# Altium PCB Main_Ctr_PCB.PcbDoc (continued)
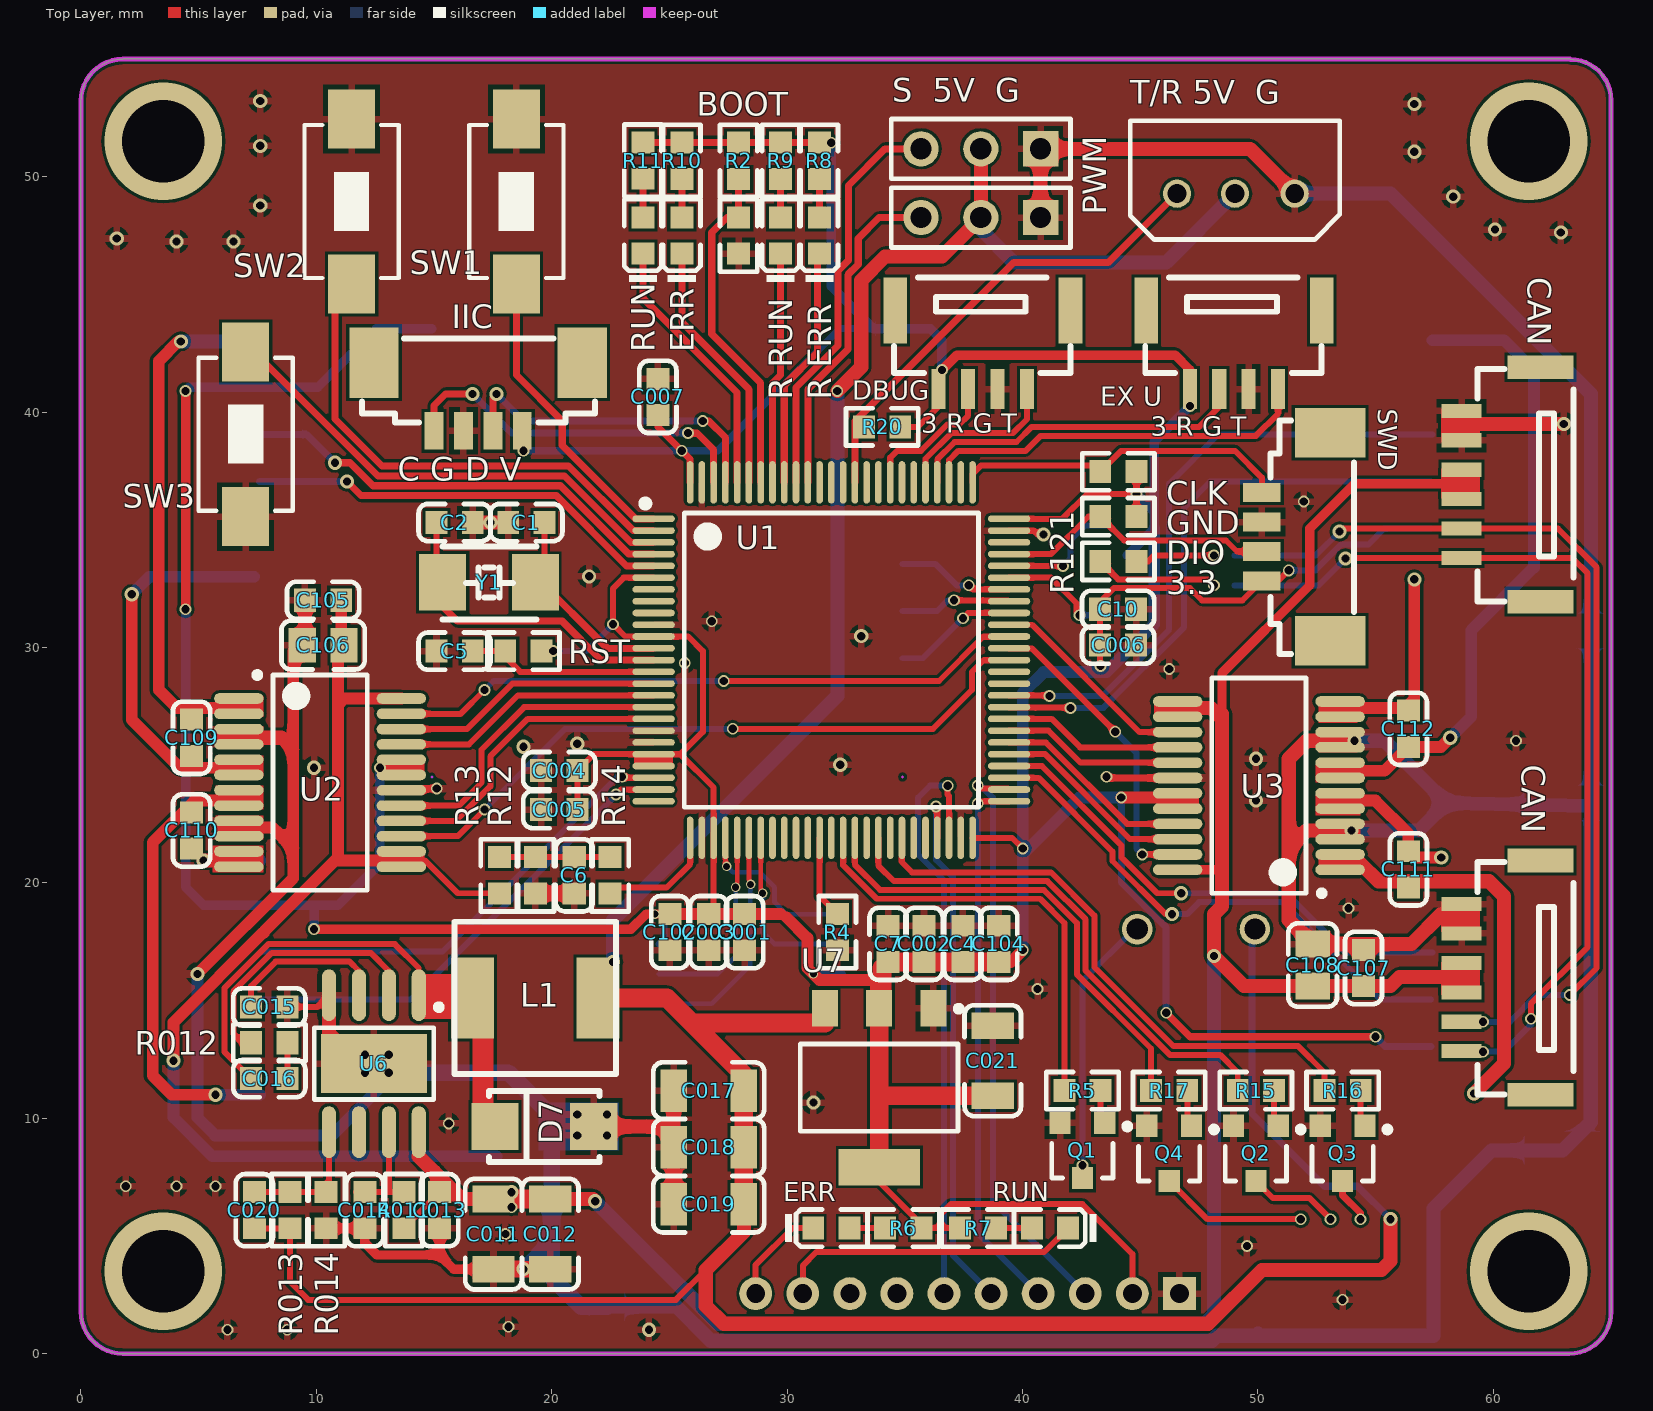
[diagram p0: Top Layer view]
## Footprints (in the part's own frame and the unit in brackets; to place one, negate y for a bottom-side part, rotate by r counter-clockwise, add the part's x,y. Pads: shape width x height; smd on the part's side, far side on the other; paste and mask are expansions set on the pad) (continued)
  silkscreen extent 7,-842 519,-22, body extent 0,-870 531,0, height 315

## Part data
"5 G R B": "LED灯"
B1: "有源蜂鸣器"
BOOT CLK DIO R4 R14 RST: library part "0603 10KΩ (1002) 1%", "贴片电阻"
C001 C002 C003 C004 C4 C005 C5 C006 C6 C007 C7 C10 C013 C014 C016 C102 C104 C105 C107 C109 C110 C111 C112: library part "0603 100nF (104) 10% 50V", "贴片电容"
C1 C2: library part "0603 10pF (100) 5% 50V", "贴片电容"
C011 C012 C017 C018 C019 C021: library part "1206 10uF (106) 10% 50V", "贴片电容"
C015: library part "0603 1uF (105) 10% 50V", "贴片电容"
C020: library part "0603 100pF (101) 5% 50V", "贴片电容"
C106 C108: library part "0805 10uF (106) 10% 25V", "贴片电容"
CAN CAN: "带电源CAN接口"
CAN: "SOIC-8"
D7: library part "SMA(DO-214AC) SS54", "二极管"
DBUG "EX U": "串口扩展"
ERR ERR "R ERR": library part "0603 红灯", "发光二极管"
FLASH: "SPI FLASH"
IIC: "IIC屏幕"
L1: "贴片电感"
M1 M2 M4 P3: "伺服直流电机"
POWER: "电源输入"
PWM "S  5V  G": "普通舵机"
Q1 Q2 Q3 Q4: "三极管"
R2: library part "0603 0Ω (0R0) 1%", "贴片电阻"
R5 R6 R7 R8 R9 R10 R11 R15 R16 R17 R20: library part "0603 1KΩ (1001) 1%", "贴片电阻"
R011: library part "0603 100KΩ (1003) 1%", "贴片电阻"
R012: library part "0603 10Ω (10R0) 1%", "贴片电阻"
R12: library part "0603 3.6KΩ (3601) 1%", "贴片电阻"
R013: library part "0603 40.2KΩ (4022) 1%", "贴片电阻"
R13: library part "0603 6.8KΩ (6801) 1%", "贴片电阻"
R014: library part "0603 7.5KΩ (7501) 1%", "贴片电阻"
R121: library part "0603 120Ω (1200) 1%", "贴片电阻"
"R RUN" RUN RUN: library part "0603 绿灯", "发光二极管"
SW1 SW2 SW3: "微动开关"
SWD: "SWD调试"
"T/R 5V  G": "串口总线舵机"
U1: "ARM"
U2 U3: "MotorDriver"
U6: "DC-DC"
U7: "线性稳压"
U8: "zigbee_usart"
WIFI: "WIFI"
Y1: "无源晶振"

## Via types
v1: diameter 0.5, hole 0.35, Top Layer to Bottom Layer, 71 vias
v2: diameter 0.6, hole 0.35, Top Layer to Bottom Layer, 58 vias
v3: diameter 0.4, hole 0.3, Top Layer to Bottom Layer, 6 vias
v4: diameter 5, hole 3.5, Top Layer to Bottom Layer, 4 vias

## Nets (pads, with @x,y where several pads share a name; then routed paths per layer and width w, separated by ;. In a path a pad name is that pad's centre, name@x,y a point inside that pad or via, vN(x,y) a via of type N, cw(c..) or ccw(c..) an arc to the next point about the centre after c; other vN are vias at no path point)
3.3V: "EX U.4" C001.2 C002.2 C003.2 C4.2 C004.2 C005.2 C006.2 C007.2 C7.2 C10.1 C021.1 C102.2 C104.2 CAN.3@43.701,33.909 CLK.1 DBUG.4 DIO.1 FLASH.3 FLASH.7 FLASH.8 IIC.4 M1.2 M2.2 M4.2 P3.2 R2.1 R6.1 R7.1 R8.1 R9.1 R10.1 R11.1 R20.2 RST.1 SWD.4 U1.6 U1.11 U1.21 U1.22 U1.28 U1.50 U1.75 U1.100 U2.19 U2.20 U3.19 U3.20 U7.2 U7.4 U8.10 U8.11 WIFI.2 | length 287.4
  Top Layer w0.254: C005.2 C004.2 21.789,25.464 U1.21 25.464,25.464 ; U1.6 23.058,32.964 22.606,32.512 v1(22.606,30.988) 23.13,30.464 U1.11 25.797,30.464 26.416,29.845 26.416,26.416 25.464,25.464 ; C003.2@26.877,18.724 U1.28 26.877,24.051 25.464,25.464 ; U7.4 33.909,7.293 35.703,5.499 R6.1 36.521,5.334 ; R20.2 35.56,39.37 36.437,40.247 DBUG.4 ; R7.1 36.521,5.334 ; U1.50 39.554,21.914 v1(40.005,21.463) ; U1.75 41.687,35.464 42.735,36.512 v1(44.839,36.512) ; v1(43.307,29.21) 43.286,29.231 C006.2 C10.1 43.286,31.927 43.878,32.519 47.11,32.519 47.625,32.004 49.343,32.004 SWD.4 50.86,32.826 v1(51.308,33.274) ; WIFI.2 44.663,4.232 42.545,6.35 36.957,6.35 36.521,5.914 36.521,5.334 ; DIO.1 v1(44.839,36.512) ; CLK.1 v1(44.839,36.512)
  Top Layer w0.3: R11.1 R8.1@31.361,51.451 ; C007.2 24.511,39.37 25.877,38.004 U1.100 ; 29.718,18.677 29.837,18.677 29.972,18.542 ; 33.655,15.875 34.036,15.494 ; v1(46.101,14.478) 47.117,13.462 v1(54.991,13.462)
  Top Layer w0.4: v1(4.445,31.623) v1(4.445,40.894) ; v1(9.906,18.034) 23.368,18.034 24.011,18.677 C102.2 ; v1(36.576,41.783) 37.211,42.418 46.482,42.418 47.105,41.795 47.105,40.97
  Top Layer w0.5: C102.2 C003.2 C001.2 29.718,18.677 ; 29.972,18.542 30.861,17.653 30.861,16.383 v3(31.115,16.129) 31.369,15.875 33.655,15.875 ; C104.2 39.497,16.637 v1(40.005,17.145) ; v1(44.196,23.622) 46.355,23.622 46.482,23.495
  Top Layer w0.8: U7.4 33.909,15.621 ; 33.943,10.956 C021.1 ; 34.036,15.494 34.036,16.383 C7.2 ; 35.179,16.637 C7.2 ; C104.2 C4.2 C002.2 C7.2
  Bottom Layer w0.254: v1(20.066,29.845) 21.463,29.845 v1(22.606,30.988) ; v1(51.308,33.274) 52.439,33.274 53.543,34.378 54.698,34.378 55.37,35.05 M2.2@57.347,35.05
  Bottom Layer w0.3: v1(18.796,38.354) 27.051,38.354 32.238,43.541 U8.11 ; v3(24.384,18.669) 24.553,18.669 24.765,18.457 24.765,17.611 FLASH.7@24.553,17.399 ; v3(31.115,16.129) FLASH.3 ; v1(44.196,23.622) 44.196,20.011 46.101,18.106 v1(46.101,14.478) ; v1(54.991,13.462) 55.404,13.049 M4.2@57.347,13.049
  Bottom Layer w0.4: v1(4.445,31.623) 4.445,19.812 5.207,19.05 P3.2 9.906,19.05 ; v1(4.445,40.894) 4.601,41.05 M1.2 10.062,41.05 12.553,43.541 U8.10 ; v1(9.906,18.034) 9.906,19.05 ; v1(12.7,24.892) 12.7,20.828 10.922,19.05 9.906,19.05 ; v1(31.877,51.435) 31.877,45.339 33.675,43.541 U8.11 36.088,43.541 36.576,43.053 v1(36.576,41.783) ; CAN.3@44.45,33.909 45.593,35.052 45.593,35.758 ; v1(44.839,36.512) 45.593,35.758 ; v1(47.117,40.259) 45.593,38.735 45.593,35.758
  Bottom Layer w0.5: v1(40.005,17.145) 40.005,21.209 ; v1(44.196,23.622) 42.418,23.622 40.005,21.209 ; 45.593,35.052 45.593,30.988 43.561,28.956 40.894,28.956 40.005,28.067 v1(40.005,21.463) 40.005,21.209
  other v1: 25.527,38.354
5V: "5 G R B.1" "S  5V  G.2" "T/R 5V  G.2" B1.1 C017.2 C018.2 C019.2 C020.1 L1.2 PWM.2 R013.2 U7.3 | length 148.7
  Top Layer w0.254: C020.1 R013.2 8.89,3.048 9.652,2.286 25.273,2.286 26.543,3.556
  Top Layer w0.6: C019.2 28.16,5.173 26.543,3.556 26.543,2.032 27.305,1.27 47.879,1.27 50.165,3.556 55.245,3.556 55.626,3.937 v2(55.626,5.715) ; v1(32.131,40.894) 33.147,41.91 33.147,45.593 34.163,46.609 36.576,46.609 PWM.2 38.227,51.181
  Top Layer w0.8: L1.2 24.892,15.113 25.962,14.043 ; C019.2 C018.2 C017.2 ; C017.2@28.16,11.845 25.962,14.043 ; U7.3@31.609,14.043 25.962,14.043
  Bottom Layer w0.3: B1.1@49.744,18.034 49.744,10.2 52.832,7.112 54.229,7.112 v2(55.626,5.715)
  Bottom Layer w0.6: v2(22.606,16.637) 22.606,18.415 32.131,27.94 v1(32.131,40.894) ; PWM.2 38.227,47.752 39.624,46.355 46.101,46.355 49.022,49.276
B_IN: R17.2 U1.40 | length 20
  Top Layer w0.254: U1.40 32.877,20.776 33.954,19.699 40.901,19.699 42.305,18.295 42.305,16.115 45.458,12.962 R17.2@45.458,11.184
BEEP: R5.1 U1.39 | length 18.7
  Top Layer w0.254: U1.39 32.377,20.747 33.799,19.325 40.746,19.325 41.775,18.296 R5.1
BLUE: "5 G R B.4" Q4.3 | length 6.3
  Top Layer w0.254: Q4.3 47.847,5.715 v1(51.816,5.715)
BOOT0: BOOT.1 R2.2 U1.94 | length 14.5
  Top Layer w0.3: R2.2 BOOT.1 27.44,48.268 26.797,47.625 26.797,43.307 28.877,41.227 U1.94
BOOT1: R4.1 U1.37 | length 3.5
  Top Layer w0.254: U1.37 31.377,19.431 R4.1
CAN_RX: CAN.4@43.701,35.179 U1.71 | length 5.4
  Top Layer w0.254: U1.71 v1(41.72,33.464)
  Bottom Layer w0.254: v1(41.72,33.464) 42.037,33.781 42.037,34.544 42.672,35.179 CAN.4@43.701,35.179
CAN_TX: CAN.1@43.701,31.369 U1.70 | length 5
  Top Layer w0.254: U1.70 41.204,32.964 42.291,31.877 v1@42.291,31.496
  Bottom Layer w0.254: v1(42.418,31.369) CAN.1@43.701,31.369
CANH: CAN.1@58.647,12.85 CAN.1@58.647,33.8 CAN.7 R121.2 | length 43.7
  Top Layer w0.254: R121.2 44.061,32.893 47.879,32.893 v1(48.133,32.639) ; v2(53.721,33.782) 53.739,33.8 58.647,33.8 63.355,33.8 64.008,33.147 64.008,17.272 61.595,14.859 v1(61.595,14.224)
  Bottom Layer w0.254: CAN.7 52.578,32.639 v2(53.721,33.782) ; v1(59.563,12.827) 60.452,12.827 61.595,13.97 v1(61.595,14.224)
CANL: CAN.2@58.647,14.1 CAN.2@58.647,35.05 CAN.6@49.009,33.909 R121.1 | length 42.7
  Top Layer w0.254: R121.1 45.339,33.655 45.593,33.909 v1(48.133,33.909) ; v2(53.467,34.925) 53.592,35.05 58.647,35.05 62.74,35.05 64.389,33.401 64.389,16.383 v1(63.246,15.24)
  Bottom Layer w0.254: CAN.6@49.009,33.909 52.451,33.909 v2(53.467,34.925) ; v1(59.563,14.097) 60.706,14.097 61.849,15.24 v1(63.246,15.24)
D_U_RX: DBUG.3 U1.83 | length 6.2
  Top Layer w0.254: U1.83 34.377,38.06 34.671,38.354 35.687,38.354 36.809,39.476 37.317,39.476 37.687,39.846 DBUG.3
D_U_TX: DBUG.1 U1.80 | length 7.3
  Top Layer w0.254: U1.80 35.877,38.015 36.964,39.102 39.589,39.102 40.187,39.7 DBUG.1
DC_ADC1_IN3: R14.2 U1.26 | length 4.9
  Top Layer w0.254: R14.2@22.479,19.804 24.884,19.804 25.877,20.797 U1.26
DGND: "5 G R B.0" "EX U.2" "S  5V  G.1" "T/R 5V  G.1" BOOT.2 C001.1 C1.1 C002.1 C2.1 C003.1 C4.1 C004.1 C005.1 C5.2 C6.1 C006.1 C007.1 C7.1 C10.2 C011.1 C012.1 C013.1 C014.1 C015.1 C017.1 C018.1 C019.1 C021.2 C102.1 C104.1 C105.1 C106.1 C107.1 C108.1 CAN.2@43.701,32.639 CAN.5 CAN.6@58.647,19.1 CAN.6@58.647,40.05 CAN.8 D7.1 DBUG.2 FLASH.4 IIC.2 M1.5 M2.0@62.997,30.7 M2.5 M4.0 M4.5 P3.5 POWER.0@22.35,1.997 POWER.2 PWM.1 Q1.2 Q2.2 Q3.2 Q4.2 R4.2 R12.1 R014.1 SW1.2 SW2.2 SW3.2 SWD.2 U1.10 U1.19 U1.20 U1.27 U1.49 U1.74 U1.99 U2.3 U2.4 U2.9 U2.10 U2.18 U3.3 U3.4 U3.9 U3.10 U3.18 U6.0 U6.4 U7.1 U8.9 U8.12 WIFI.1 | length 243
  Top Layer w0.254: C015.1 10.046,14.732 U6.4 ; U1.74 40.474,34.964 40.64,34.798 v2(40.894,34.798)
  Top Layer w0.3: U2.18@13.681,24.003 v1(15.113,24.003) ; v1(43.561,24.511) 43.617,24.455 U3.18
  Top Layer w0.4: R014.1 C014.1 12.065,4.699 12.573,4.191 15.24,4.191 ; C013.1 15.24,4.191 ; C011.1 15.841,3.59 15.24,4.191
  Top Layer w0.5: v2(4.953,16.129) 9.017,20.193 9.017,21.463 ; 6.858,22.352 8.128,22.352 9.017,21.463 ; 8.509,26.162 9.017,25.654 ; C106.1@9.017,29.846 9.017,25.654 ; C106.1 9.517,30.219 C105.1 ; 9.017,21.463 9.017,25.654
  Top Layer w0.6: 6.731,26.162 8.509,26.162 ; U6.4 10.541,13.589 U6.0@11.811,12.319 ; C2.1 v2(17.399,35.306) C1.1 ; R12.1 C6.1 ; D7.1 24.926,9.652 25.18,9.906 ; C019.1 C018.1 25.18,9.906 ; C017.1 25.18,9.906 ; PWM.1 40.767,51.181 49.657,51.181 51.562,49.276 ; 53.467,22.225 52.07,22.225 51.308,21.463 ; 53.467,26.035 52.07,26.035 51.308,25.273 51.308,21.463 ; 58.42,18.669 57.785,18.669 56.516,17.4 C108.1 51.308,18.416 51.308,21.463 ; 58.674,39.37 58.801,39.497 v2(62.992,39.497)
  Top Layer w0.7: C011.1 v2(18.796,3.59) C012.1
  Bottom Layer w0.5: v2(4.953,16.129) 4.953,10.018 5.7,9.271 10.668,9.271 13.081,11.684 v2(13.081,11.938)
  Bottom Layer w0.6: POWER.0@22.35,1.997 25.306,1.997 26.753,0.55 48.05,0.55 48.262,0.762 49.911,0.762 50,0.851 50,0.762 57.45,0.762 57.45,6.164 59.922,8.636 62.934,8.636 62.997,8.699 64.135,9.837 64.135,22.261 M4.0@64.14,23.272 ; 51.562,49.276 55.626,49.276 64.14,40.762 M4.0@64.14,23.272 ; v2(53.975,22.225) 56.834,22.225 58.008,23.399 ; v2(54.102,26.035) 55.372,26.035 58.008,23.399 ; 58.008,23.399 M4.0@64.14,23.272
  Bottom Layer w0.7: v2(13.081,11.938) 17.341,11.938 ; 17.145,11.938 18.161,11.938 20,10.099 POWER.2 20,3.241 21.244,1.997 POWER.0@22.35,1.997 ; v2@18.83,3.59 20,4.76
  other v1: 6.223,1.016 8.763,1.016 18.161,1.143 53.594,2.286 49.53,4.572 18.034,5.08 1.905,7.112 4.064,7.112 5.715,7.112 15.621,9.779 40.64,15.494 53.848,18.923 60.96,26.035 46.228,29.083 25.654,29.337 26.797,31.115 51.943,36.195
  other v2: 24.13,1.016 21.082,9.271 22.352,9.271 21.082,10.16 22.352,10.16 31.115,10.668 12.065,11.938 12.065,12.7 13.081,12.7 49.911,23.495 9.906,24.892 32.258,25.019 49.911,25.273 18.796,25.781 21.082,25.908 33.147,30.48 21.59,33.02 4.064,47.244 6.477,47.244 1.524,47.371 62.865,47.625 60.071,47.752 7.62,48.768 58.293,49.149 56.642,51.054 7.62,51.308 56.642,53.086 7.62,53.213
E_U_RX: "EX U.3" U1.79 | length 14.6
  Top Layer w0.254: U1.79 36.377,37.986 37.119,38.728 39.744,38.728 40.386,39.37 47.498,39.37 48.355,40.227 48.355,40.97
E_U_TX: "EX U.1" U1.78 | length 16.8
  Top Layer w0.254: U1.78 36.877,37.957 37.274,38.354 40.132,38.354 40.767,38.989 49.911,38.989 50.855,39.933 50.855,40.97
EC_M1_A: M1.3 U1.4 | length 18.8
  Top Layer w0.3: v2(10.795,37.846) 11.43,37.846 12.407,36.869 20.367,36.869 23.272,33.964 U1.4
  Bottom Layer w0.3: M1.3 9.591,39.05 v2(10.795,37.846)
EC_M1_B: M1.4 U1.5 | length 18.2
  Top Layer w0.3: v2(11.303,37.05) 11.904,36.449 20.193,36.449 23.178,33.464 U1.5
  Bottom Layer w0.3: M1.4 v2(11.303,37.05)
EC_M2_A: M2.3 U1.59 | length 24.9
  Top Layer w0.254: U1.59 39.427,27.443 42.026,27.443 v1(42.037,27.432)
  Bottom Layer w0.254: v1(42.037,27.432) 43.434,27.432 46.863,30.861 46.863,35.941 47.972,37.05 M2.3@57.347,37.05
EC_M2_B: M2.4 U1.60 | length 26.2
  Top Layer w0.254: U1.60 v1@41.124,27.964
  Bottom Layer w0.254: v1(41.148,27.94) 43.413,27.94 46.228,30.755 46.228,36.957 48.321,39.05 M2.4@57.41,39.05
EC_M3_A: P3.3 U1.23 | length 19.8
  Top Layer w0.254: v1(22.987,24.511) 23.034,24.464 U1.23
  Bottom Layer w0.254: P3.3 7.689,17.086 15.367,17.086 22.792,24.511 v1(22.987,24.511)
EC_M3_B: P3.4 U1.24 | length 20.4
  Top Layer w0.254: v1(22.733,23.749) 22.948,23.964 U1.24
  Bottom Layer w0.254: P3.4 14.034,15.05 v1(22.733,23.749)
EC_M4_A: M4.3 U1.53 | length 22.5
  Top Layer w0.254: U1.53 40.687,24.464 43.822,21.329 43.822,20.927 46.08,18.669 v2(46.345,18.669)
  Bottom Layer w0.254: v2(46.345,18.669) 46.99,18.669 47.498,19.177 51.054,19.177 55.182,15.049 M4.3@57.347,15.049
EC_M4_B: M4.4 U1.54 | length 21.6
  Top Layer w0.254: U1.54 40.822,24.964 44.196,21.59 44.196,21.082 45.72,19.558 v2(46.736,19.558)
  Bottom Layer w0.254: v2(46.736,19.558) 48.112,19.558 48.105,19.551 51.209,19.551 53.711,17.049 M4.4@57.41,17.049
ERR: ERR.K@25.527,46.73 U1.95 | length 10.9
  Top Layer w0.3: ERR.K@25.527,46.73 25.527,43.815 28.377,40.965 U1.95
G_IN: R16.2 U1.44 | length 24.7
  Top Layer w0.254: U1.44 34.877,20.876 35.306,20.447 41.211,20.447 43.053,18.605 43.053,16.425 46.413,13.065 51.705,13.065 52.824,11.946 R16.2
GREEN: "5 G R B.2" Q3.3 | length 1.9
  Top Layer w0.3: Q3.3 53.594,6.731 54.356,5.969 v1(54.356,5.715)
IIC_SCL: IIC.1 U1.98 | length 15.8
  Top Layer w0.3: IIC.1 15,40.273 15.494,40.767 v2(16.637,40.767) ; v1(25.793,39.104) 26.174,39.104 26.877,38.401 U1.98
  Bottom Layer w0.3: v2(16.637,40.767) 18.288,39.116 25.908,39.116 25.896,39.104 v1(25.793,39.104)
IIC_SDA: IIC.3 U1.97 | length 14
  Top Layer w0.3: IIC.3 17.5,40.614 v2(17.653,40.767) ; v1(26.416,39.624) 26.67,39.624 27.377,38.917 U1.97
  Bottom Layer w0.3: v2(17.653,40.767) 18.796,39.624 v1(26.416,39.624)
IN1+: U1.16 U2.21 | length 11.6
  Top Layer w0.254: U2.21 16.484,25.882 18.566,27.964 U1.16
IN1-: U1.15 U2.22 | length 11.5
  Top Layer w0.254: U2.22 16.397,26.532 18.329,28.464 U1.15
IN2+: U1.57 U3.17 | length 7.7
  Top Layer w0.254: U1.57 41.1,26.464 42.459,25.105 U3.17
IN2-: U1.58 U3.16 | length 7.7
  Top Layer w0.254: U1.58 41.235,26.964 42.444,25.755 U3.16
IN3+: U1.17 U2.17 | length 13.3
  Top Layer w0.254: U2.17 16.043,23.282 17.018,24.257 17.018,25.654 18.828,27.464 U1.17
IN3-: U1.18 U2.16 | length 13.3
  Top Layer w0.254: U2.16 15.922,22.632 17.392,24.102 17.392,25.372 18.984,26.964 U1.18
IN4+: U1.56 U3.21 | length 8.6
  Top Layer w0.254: U1.56 40.986,25.964 44.445,22.505 U3.21
IN4-: U1.55 U3.22 | length 8.7
  Top Layer w0.254: U1.55 40.957,25.464 44.566,21.855 U3.22
LED_OUT1: "R ERR.K" U1.92 | length 10.3
  Top Layer w0.3: U1.92 29.877,41.139 31.291,42.553 31.291,46.652 31.369,46.73
LED_OUT2: "R RUN.K" U1.93 | length 9.9
  Top Layer w0.3: U1.93 29.377,41.233 29.718,41.574 29.718,46.73
LED_OUT4: RUN.K@23.876,46.73 U1.96 | length 11.4
  Top Layer w0.3: RUN.K@23.876,46.73 23.876,44.831 27.877,40.83 U1.96
M1+: C109.2 M1.1 U2.1 U2.2 | length 22.2
  Top Layer w0.5: v2(4.244,43) 4.138,43 3.302,42.164 3.302,28.194 4.064,27.432 6.731,27.432
  Bottom Layer w0.6: v2(4.244,43) M1.1@7.429,43
M1-: C109.1 M1.6 U2.5 U2.6 | length 16.1
  Top Layer w0.5: v2(2.159,32.258) 2.159,26.924 4.191,24.892 6.604,24.892
  Bottom Layer w0.5: v2(2.159,32.258) 2.901,33 M1.6@7.366,33
M2+: C112.2 M2.1 U3.11 U3.12 | length 8.3
  Top Layer w0.5: 53.594,27.432 56.269,27.432 56.642,27.805 v2(56.642,32.893)
M2-: C112.1 M2.6 U3.7 U3.8 | length 27.2
  Top Layer w0.5: 53.467,24.765 55.38,24.765 C112.1 57.777,25.773 v2(58.166,26.162)
  Bottom Layer w0.5: M2.6@57.41,43.05 60.455,43.05 61.722,41.783 61.722,33.401 59.055,30.734 59.055,27.051 v2(58.166,26.162)
M3+: C110.2 P3.1 U2.11 U2.12 | length 3.5
  Top Layer w0.254: C110.2 C110.2@4.707,21.455
  Top Layer w0.6: v2(5.207,20.955) 6.35,20.955
  Bottom Layer w0.6: v2(5.207,20.955) P3.1@7.556,20.955
M3-: C110.1 P3.6 U2.7 U2.8 | length 19.3
  Top Layer w0.5: v2(5.715,11) 3.859,11 3.048,11.811 3.048,21.717 4.826,23.495 U2.8@6.604,23.495
  Top Layer w0.6: U2.8@6.604,23.495 6.731,23.622
  Bottom Layer w0.5: v2(5.715,11) P3.6@7.62,11
M4+: C111.2 M4.1 U3.1 U3.2 | length 16.6
  Top Layer w0.6: 53.594,20.828 54.356,20.828 55.118,20.066 C111.2@56.388,20.066 ; C111.2 C111.2@56.388,20.066 ; v2(59.182,11.049) 60.452,12.319 60.452,19.431 59.817,20.066 C111.2@56.388,20.066
M4-: C111.1 M4.6 U3.5 U3.6 | length 5.8
  Top Layer w0.5: 53.467,23.495 54.991,23.495 56.388,22.098 C111.1 56.65,21.082 v2(57.785,21.082)
NetB1_2: B1.2 Q1.3 | length 10.9
  Bottom Layer w0.254: v1(42.545,8.001) 42.545,15.835 B1.2@44.744,18.034
NetC1_2: C1.2 U1.12 Y1.2 | length 8.7
  Top Layer w0.254: Y1.2@19.685,32.893 C1.2@19.685,35.298
  Top Layer w0.3: Y1.2@19.304,33.02 22.36,29.964 U1.12
NetC2_2: C2.2 U1.13 Y1.1 | length 13.3
  Top Layer w0.254: Y1.1@15.113,32.893 C2.2@15.113,35.298
  Top Layer w0.3: Y1.1 15.367,31.75 16.002,31.115 20.447,31.115 22.098,29.464 U1.13
NetC6_2: C6.2 R12.2 R13.1 R14.1 | length 4.7
  Top Layer w0.254: R13.1 R12.2 R14.1
NetC014_2: C014.2 R011.1 U6.7 | length 4.7
  Top Layer w0.254: C014.2@11.684,6.866 C014.2 13.081,6.866 U6.7 ; 12.954,6.866 R011.1
NetC015_2: C015.2 U6.3 | length 7.1
  Top Layer w0.254: C015.2 7.231,15.613 8.269,16.651 11.416,16.651 11.811,16.256 U6.3
NetC016_1: C016.1 R012.2 | length 1.5
  Top Layer w0.254: C016.1 R012.2
NetC016_2: C016.2 D7.2 L1.1 U6.1 | length 14.9
  Top Layer w0.254: C016.2 6.103,12.812 6.103,15.543 7.959,17.399 13.335,17.399 14.351,16.383 U6.1
NetC020_2: C020.2 R013.1 R014.2 U6.5 | length 5.4
  Top Layer w0.254: C020.2 10.033,6.866 10.541,7.374 U6.5
NetD1_A: ERR.A@32.647,5.334 R6.2 | length 1.5
  Top Layer w0.254: ERR.A@32.647,5.334 R6.2
NetD2_A: R7.2 RUN.A@40.394,5.334 | length 1.5
  Top Layer w0.254: R7.2 RUN.A@40.394,5.334
NetD3_A: "R ERR.A" R8.2 | length 1.6
  Top Layer w0.3: 31.369,48.27 R8.2
NetD4_A: "R RUN.A" R9.2 | length 1.6
  Top Layer w0.3: 29.718,48.27 R9.2
NetD5_A: ERR.A@25.527,48.27 R10.2 | length 1.6
  Top Layer w0.3: ERR.A@25.527,48.27 R10.2
NetD6_A: R11.2 RUN.A@23.876,48.27 | length 1.6
  Top Layer w0.3: RUN.A@23.876,48.27 R11.2
NetQ1_1: Q1.1 R5.2 | length 1.4
  Top Layer w0.254: R5.2 43.315,9.991 Q1.1
NetQ2_1: Q2.1 R15.1 | length 1.6
  Top Layer w0.254: R15.1 50.681,9.864 Q2.1
NetQ3_1: Q3.1 R16.1 | length 1.6
  Top Layer w0.254: R16.1 54.364,9.864 Q3.1
NetQ4_1: Q4.1 R17.1 | length 1.6
  Top Layer w0.254: R17.1 46.998,9.864 Q4.1
NetR012_1: R012.1 U6.2 | length 11
  Top Layer w0.254: R012.1@6.858,13.208 6.477,13.589 6.477,15.388 8.114,17.025 12.312,17.025 13.081,16.256 U6.2
NRST: C5.1 RST.2 U1.14 | length 8.3
  Top Layer w0.254: C5.1 RST.2 17.903,29.722 18.661,28.964 U1.14
PWM1: U1.65 U2.23 | length 27.2
  Top Layer w0.254: U2.23 14.982,27.182 14.986,27.178 16.129,27.178 v1(17.145,28.194) ; v1(27.305,28.575) 36.449,28.575 38.338,30.464 U1.65
  Bottom Layer w0.254: v1(17.145,28.194) 17.526,28.575 v1(27.305,28.575)
PWM2: U1.66 U3.15 | length 9
  Top Layer w0.254: U1.66 40.41,30.964 44.969,26.405 U3.15
PWM3: U1.63 U2.15 | length 29.4
  Top Layer w0.254: U2.15 16.013,21.982 v1(17.145,23.114) ; v1(27.686,26.543) 36.195,26.543 37.846,28.194 37.846,28.956 38.354,29.464 U1.63
  Bottom Layer w0.254: v1(17.145,23.114) 20.574,26.543 v1(27.686,26.543)
PWM4: U1.64 U3.23 | length 13.2
  Top Layer w0.254: U1.64 40.394,29.964 v1(43.942,26.416) ; v1@45.089,21.205 U3.23
  Bottom Layer w0.254: v1(43.942,26.416) 44.831,25.527 44.831,21.463 v1(45.085,21.209)
R_IN: R15.2 U1.42 | length 22.1
  Top Layer w0.254: U1.42 33.877,20.733 34.537,20.073 41.056,20.073 42.679,18.45 42.679,16.27 46.258,12.691 48.396,12.691 49.141,11.946 R15.2
RED: "5 G R B.3" Q2.3 | length 3.8
  Top Layer w0.254: Q2.3 50.641,6.604 52.197,6.604 v1(53.086,5.715)
S_PWM1: PWM.3 U1.90 | length 14.3
  Top Layer w0.3: U1.90 30.877,40.951 32.577,42.651 32.577,45.829 33.02,46.272 33.02,47.371 33.909,48.26 PWM.3
S_PWM2: "S  5V  G.3" U1.91 | length 17.3
  Top Layer w0.3: U1.91 30.377,41.045 32.157,42.825 32.157,46.003 32.6,46.446 32.6,49.618 34.163,51.181 35.687,51.181
S_U_RTX: "T/R 5V  G.3" R20.1 U1.86 | length 20.3
  Top Layer w0.3: U1.86 32.877,39.608 39.624,46.355 43.641,46.355 46.562,49.276
SPI_CLK: FLASH.6 U1.30 | length 8.4
  Top Layer w0.2: 27.877,20.003 U1.30
  Bottom Layer w0.2: FLASH.6@24.553,16.129 27.051,16.129 27.813,16.891 v3(27.813,19.812)
SPI_CS: FLASH.1 U1.29 | length 7.1
  Top Layer w0.12: v3@27.377,20.756 v3(27.432,20.701)
  Top Layer w0.2: v3@27.377,20.756 U1.29
  Bottom Layer w0.2: v3(27.432,20.701) 27.687,20.446 28.83,20.446 29.464,19.812 29.464,19.177 29.972,18.669 FLASH.1@32.089,18.669
SPI_MISO: FLASH.2 U1.32 | length 7.4
  Top Layer w0.2: U1.32 28.877,19.637 v3(28.956,19.558)
  Bottom Layer w0.2: v3(28.956,19.558) 28.956,17.907 29.464,17.399 FLASH.2@32.089,17.399
SPI_MOSI: FLASH.5 U1.31 | length 9.8
  Top Layer w0.2: 28.377,20.137 U1.31
  Bottom Layer w0.12: 28.434,19.699 28.448,19.685
  Bottom Layer w0.2: FLASH.5@24.553,14.859 26.797,14.859 28.434,16.496 28.434,19.699 ; 28.448,19.685 v3(28.448,19.939)
SW1: SW1.1 U1.1 | length 12.8
  Top Layer w0.3: SW1.1 18.5,41.571 20.447,39.624 20.447,38.571 23.554,35.464 U1.1
SW2: SW2.1 U1.2 | length 21.5
  Top Layer w0.3: SW2.1 10.795,44.739 10.795,39.71 12.796,37.709 20.715,37.709 23.46,34.964 U1.2
SW3: SW3.1 U1.3 | length 20.7
  Top Layer w0.3: SW3.1 7.355,42.556 12.622,37.289 20.541,37.289 23.366,34.464 U1.3
SWCLK: CLK.2 SWD.1 U1.76 | length 14.4
  Top Layer w0.254: U1.76 37.877,37.369 38.227,37.719 43.045,37.719 CLK.2 44.188,38.354 49.022,38.354 50.165,37.211 SWD.1
SWDIO: DIO.2 SWD.3 U1.72 | length 12
  Top Layer w0.254: U1.72 41.203,33.964 42.799,35.56 DIO.2 44.315,34.544 48.641,34.544 49.109,34.076 SWD.3
USART1_RX: U1.69 U8.16 | length 4.7
  Top Layer w0.254: v1@37.894,32.464 U1.69
  Bottom Layer w0.254: U8.16 36.309,33.541 37.211,32.639 v1(37.719,32.639)
USART1_TX: U1.68 U8.17 | length 4.7
  Top Layer w0.254: v1(37.084,32.004) U1.68@39.387,32.004
  Bottom Layer w0.254: U8.17 36.367,31.541 36.83,32.004 v1(37.084,32.004)
USART3_RX: U1.48 WIFI.6 | length 25.2
  Top Layer w0.254: v1@36.819,24.126 v1(36.817,24.128) 36.817,23.751 36.877,23.691 U1.48
  Bottom Layer w0.254: WIFI.6 36.663,20.106 35.56,21.209 35.56,23.622 36.066,24.128 v1(36.817,24.128)
USART3_TX: U1.47 WIFI.5 | length 23.2
  Top Layer w0.254: v1(36.322,23.241) 36.322,23.258 36.377,23.313 U1.47
  Bottom Layer w0.254: v1(36.322,23.241) 36.322,20.976 37.037,20.261 37.037,4.179 WIFI.5
VIN: C011.2 C012.2 C013.2 C105.2 C106.2 C107.2 C108.2 CAN.3@58.647,15.35 CAN.3@58.647,36.3 CAN.4@58.647,16.6 CAN.4@58.647,37.55 POWER.1 R011.2 R13.2 U2.13 U2.14 U2.24 U3.13 U3.14 U3.24 U6.8 | length 147.5
  Top Layer w0.254: R011.2@13.454,5.08 C013.2 ; 13.716,20.955 14.605,20.955 16.002,19.558 17.534,19.558 R13.2@17.78,19.804
  Top Layer w0.4: U3.24 48.514,20.555 ; 48.472,26.966 48.472,28.914 52.197,32.639 52.197,35.052 54.102,36.957 58.42,36.957
  Top Layer w0.5: v2(3.937,12.446) 3.937,14.08 7.753,17.896 7.788,17.896 ; 7.788,17.946 10.922,21.08 10.922,29.971 C106.2@11.177,30.226 ; 10.922,20.955 13.716,20.955 ; 10.922,27.559 11.195,27.832 U2.24 ; C106.2@11.057,30.219 C105.2 ; U6.8@14.351,8.382 U6.8
  Top Layer w0.6: U6.8@14.351,8.382 16.163,6.57 C011.2 ; C012.2 v2@21.751,6.57 ; 46.609,27.432 48.006,27.432 48.472,26.966 ; 48.472,27.178 48.472,19.006 48.133,18.667 v2(48.133,16.891) 49.404,15.62 C108.2 55.625,15.62 56.007,16.002 58.547,16.002
  Top Layer w0.8: C011.2 C012.2
  Bottom Layer w0.5: v2(3.937,12.446) 3.937,10.033 5.588,8.382 POWER.1@17.653,8.382
  Bottom Layer w0.6: v2@21.78,6.54 v2(21.844,6.477) 27.051,1.27 47.752,1.27 48.133,1.651 v2(48.133,16.891)
  other v1: 18.288,6.223
  other v2: 18.288,6.858
WIFI_ERR: ERR.K@31.107,5.334 WIFI.10 | length 4.3
  Top Layer w0.254: WIFI.10 28.663,3.771 30.226,5.334 ERR.K@31.107,5.334
WIFI_RL: U1.52 WIFI.3 | length 24.9
  Top Layer w0.254: v1(38.1,24.13) 38.227,24.003 39.388,24.003 U1.52
  Bottom Layer w0.254: v1(38.1,24.13) 38.227,24.13 38.735,23.622 38.735,6.481 WIFI.3
WIFI_RST: U1.51 WIFI.4 | length 23.1
  Top Layer w0.254: v1@38.196,23.464 U1.51
  Bottom Layer w0.254: v1(38.1,23.368) 38.1,5.116 WIFI.4
WIFI_RUN: RUN.K@41.934,5.334 WIFI.9 | length 13.1
  Top Layer w0.254: WIFI.9 30.663,3.739 31.242,4.318 40.918,4.318 RUN.K@41.934,5.334
ZIGBEE_RST: U1.67 U8.18 | length 5.3
  Top Layer w0.254: v1(37.465,31.242) 37.687,31.464 U1.67
  Bottom Layer w0.254: U8.18 35.764,29.541 v1(37.465,31.242)
pads on no net: "EX U.0" CAN.0 DBUG.0 IIC.0 M1.0 M2.0@62.997,45.4 P3.0 POWER.0@15.65,1.997 SWD.0 U1.7 U1.8 U1.9 U1.25 U1.33 U1.34 U1.35 U1.36 U1.38 U1.41 U1.43 U1.45 U1.46 U1.61 U1.62 U1.73 U1.77 U1.81 U1.82 U1.84 U1.85 U1.87 U1.88 U1.89 U6.6 U8.1 U8.2 U8.3 U8.4 U8.5 U8.6 U8.7 U8.8 U8.13 U8.14 U8.15 U8.19 U8.20 WIFI.7 WIFI.8
copper on no net:
  other v4: 3.5,3.5 61.5,3.5 3.5,51.5 61.5,51.5

## Polygon pours and split planes (outlines as drawn)
DGND on Top Layer "DGND_L01_P010" (solid, remove dead copper, pour order 10): 65.151,55.245 0,55.245 0,0.127 -0.127,0 0,-0.127 65.151,-0.127
DGND on Bottom Layer "DGND_L02_P012" (solid, remove dead copper, pour order 12): 65.024,55.372 0.127,55.372 -0.254,54.991 -0.254,0 65.278,0

## Keep-outs
Keep-Out Layer:
  lines w0.2: 1.778,54.991 ccw(c1.778,53.213) 0,53.213 0,1.778 ccw(c1.778,1.778) 1.778,0 63.222,0 ccw(c63.222,1.778) 65,1.778 65,53.246 ccw(c63.27,53.246) 63.27,54.976 ; 1.787,55 63.27,55

## Other copper
Top Layer:
  rectangle net M2+: 52.578,26.797 54.229,27.559
  rectangle net DGND: 52.578,25.527 54.229,26.289
  rectangle net M2-: 52.451,24.257 54.229,25.019
  rectangle net M4-: 52.451,22.86 54.356,23.749
  rectangle net DGND: 52.578,21.717 54.356,22.479
  rectangle net M4+: 52.578,20.447 54.356,21.336
  rectangle net 3.3V: 45.72,22.987 47.498,23.749
  rectangle net VIN: 45.593,27.051 47.371,27.559
  rectangle net VIN: 12.827,20.701 14.605,21.336
  rectangle net 3.3V: 12.7,24.638 14.605,25.273
  rectangle net M3+: 5.588,20.447 7.747,21.59
  rectangle net M3-: 5.715,23.114 7.747,24.13
  rectangle net DGND: 5.715,21.844 7.747,22.86
  rectangle net M1-: 5.715,24.511 7.747,25.4
  rectangle net DGND: 5.715,25.781 7.747,26.67
  rectangle net M1+: 5.715,27.051 7.747,27.94
  rectangle net NetC016_2: 14.097,14.224 16.891,16.129
  rectangle net NetC016_2: 16.637,8.763 17.526,14.478
  rectangle net 3.3V: 23.495,24.892 25.146,25.464
  rectangle net VIN: 57.785,15.24 59.436,16.637
  rectangle net DGND: 57.785,17.907 59.436,19.177
  rectangle net VIN: 57.785,36.322 59.436,37.592
  rectangle net DGND: 57.785,38.735 59.436,40.132
Bottom Layer:
  rectangle net DGND: 11.811,11.557 13.335,12.954
  rectangle net DGND: 19.431,8.636 22.86,10.668

## Silkscreen, mask and mechanical layers (free items; w line width, h text height)
Top Overlay:
  text "3 R G T" at 35.687,39.116 h0.8
  text "3 R G T" at 45.445,38.989 h0.8
  text "C G D V" at 13.462,37.084 h1
  text "GND" at 46.101,34.798 h1
  text "3.3" at 46.101,32.258 h1
Bottom Overlay:
  text "- G B A V +" at 53.975,43.307 h1 r270
  text "- G B A V +" at 10.922,32.639 h1 r90
  text "M3" at 3.937,24.765 h1
  text "- G B A V +" at 53.975,21.463 h1 r270
  text "- G B A V +" at 10.922,10.668 h1 r90
  text "G V" at 20.32,9.906 h1
Bottom Solder:
  text "MINI Ctr 1.0" at 26.289,50.8 h1.2
  text "Zealer 2018.1" at 26.797,48.387 h1.2

## Text inside footprints (layer, text, board x,y; h text height)
U8: Bottom Overlay "No Copper" at 23.463,24.093 h1.14 r180; Bottom Overlay "1" at 15.996,24.575 h0.76 r180; Bottom Overlay "10" at 15.513,45.2 h0.76 r180; Bottom Overlay "11" at 33.395,45.175 h0.76 r180
WIFI: Bottom Overlay "ATT" at 28.883,11.468 h1.02 r90